# KiCad board DG Nova CPU Tester.kicad_pcb (continued)
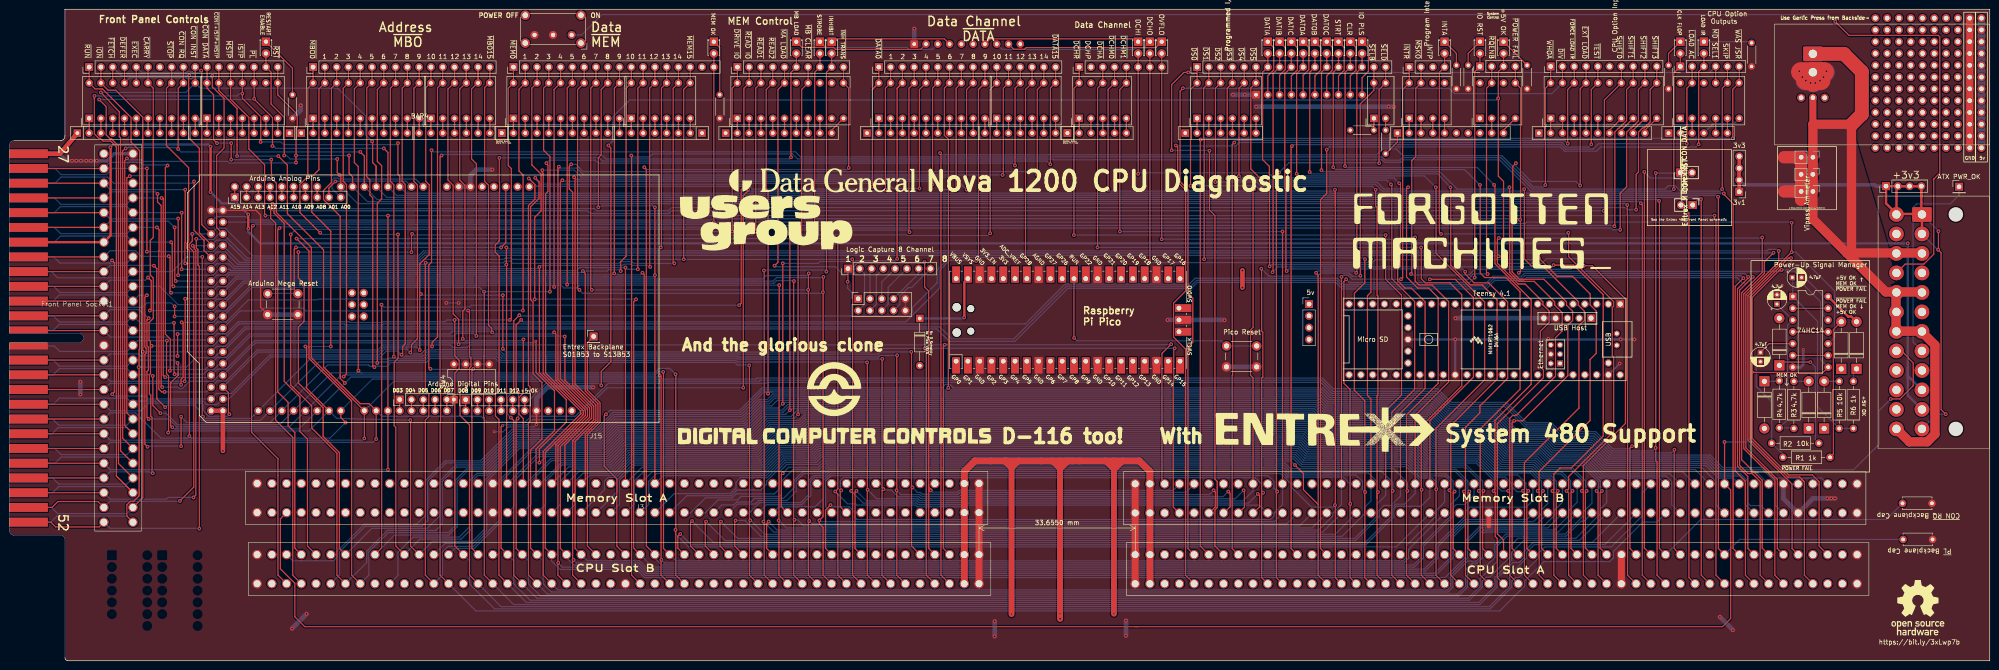
[diagram p0: board, top side]
## Footprints (pads in the part's own frame, mm; a bottom-side part is the same pattern mirrored in y, then rotated) (continued)
DG Nova Front Panel Card Edge
  rect 8.3x1.905 smd far side: 1(1.73,39.48) 2(1.73,36.305) 3(1.73,33.13) 4(1.73,29.955) 5(1.73,26.78) 6(1.73,23.605) 7(1.73,20.43) 8(1.73,17.255) 9(1.73,14.08) 10(1.73,10.905) 11(1.73,7.73) 12(1.73,4.555) 15(1.73,-4.97) 16(1.73,-8.145) 17(1.73,-11.32) 18(1.73,-14.495) 19(1.73,-17.67) 20(1.73,-20.845) 21(1.73,-24.02) 22(1.73,-27.195) 23(1.73,-30.37) 24(1.73,-33.545) 25(1.73,-36.72) 26(1.73,-39.895)
  rect 8.3x1.45 smd far side: 13(1.73,1.53) 14(1.73,-1.945)
  rect 8.3x1.905 smd: 27(1.73,39.48) 28(1.73,36.305) 29(1.73,33.13) 30(1.73,29.955) 31(1.73,26.78) 32(1.73,23.605) 33(1.73,20.43) 34(1.73,17.255) 35(1.73,14.08) 36(1.73,10.905) 37(1.73,7.73) 38(1.73,4.555) 41(1.73,-4.97) 42(1.73,-8.145) 43(1.73,-11.32) 44(1.73,-14.495) 45(1.73,-17.67) 46(1.73,-20.845) 47(1.73,-24.02) 48(1.73,-27.195) 49(1.73,-30.37) 50(1.73,-33.545) 51(1.73,-36.72) 52(1.73,-39.895)
  rect 8.3x1.45 smd: 39(1.73,1.53) 40(1.73,-1.945)
DG NOVA Front Pannel Connector - WireWrap pins - Backside
  round 2 hole 1.5: 1(3.27,39) 2(3.27,35.825) 3(3.27,32.65) 4(3.27,29.475) 5(3.27,26.3) 6(3.27,23.125) 7(3.27,19.95) 8(3.27,16.775) 9(3.27,13.6) 10(3.27,10.425) 11(3.27,7.25) 12(3.27,4.075) 13(3.27,0.9) 14(3.27,-2.275) 15(3.27,-5.45) 16(3.27,-8.625) 17(3.27,-11.8) 18(3.27,-14.975) 19(3.27,-18.15) 20(3.27,-21.325) 21(3.27,-24.5) 22(3.27,-27.675) 23(3.27,-30.85) 24(3.27,-34.025) 25(3.27,-37.2) 26(3.27,-40.375) 27(-3,39) 28(-3,35.825) 29(-3,32.65) 30(-3,29.475) 31(-3,26.3) 32(-3,23.125) 33(-3,19.95) 34(-3,16.775) 35(-3,13.6) 36(-3,10.425) 37(-3,7.25) 38(-3,4.075) 39(-3,0.9) 40(-3,-2.275) 41(-3,-5.45) 42(-3,-8.625) 43(-3,-11.8) 44(-3,-14.975) 45(-3,-18.15) 46(-3,-21.325) 47(-3,-24.5) 48(-3,-27.675) 49(-3,-30.85) 50(-3,-34.025) 51(-3,-37.2) 52(-3,-40.375)
DIP-8_W7.62mm
  rect 1.6x1.6 hole 0.8: 1(0,0)
  oval 1.6x1.6 hole 0.8: 2(0,-2.54) 3(0,-5.08) 4(0,-7.62) 5(7.62,-7.62) 6(7.62,-5.08) 7(7.62,-2.54) 8(7.62,0)
DIP-14_W7.62mm
  rect 1.6x1.6 hole 0.8: 1(0,0)
  oval 1.6x1.6 hole 0.8: 2(0,-2.54) 3(0,-5.08) 4(0,-7.62) 5(0,-10.16) 6(0,-12.7) 7(0,-15.24) 8(7.62,-15.24) 9(7.62,-12.7) 10(7.62,-10.16) 11(7.62,-7.62) 12(7.62,-5.08) 13(7.62,-2.54) 14(7.62,0)
Disc Capacitor Common Entrex Trapezoid
  round 1.6 hole 0.8: 1(-2.54,-0.215) 2(3.81,-0.215)
LED Bar 2
  rect 1.6x1.6 hole 0.914: 1(0,0)
  oval 1.6x1.6 hole 0.8: 2(2.54,0)
  round 1.6 hole 0.8: 19(2.54,7.62) 20(0,7.62)
LED Bar 4
  rect 1.6x1.6 hole 0.914: 1(0,0)
  oval 1.6x1.6 hole 0.8: 2(2.54,0) 3(5.08,0) 4(7.62,0) 17(7.62,7.62)
  round 1.6 hole 0.8: 18(5.08,7.62) 19(2.54,7.62) 20(0,7.62)
LED Bar 5
  rect 1.6x1.6 hole 0.914: 1(0,0)
  oval 1.6x1.6 hole 0.8: 2(2.54,0) 3(5.08,0) 4(7.62,0) 5(10.16,0) 16(10.16,7.62) 17(7.62,7.62)
  round 1.6 hole 0.8: 18(5.08,7.62) 19(2.54,7.62) 20(0,7.62)
LED Bar 6
  rect 1.6x1.6 hole 0.914: 1(0,0)
  oval 1.6x1.6 hole 0.8: 2(2.54,0) 3(5.08,0) 4(7.62,0) 5(10.16,0) 6(12.7,0) 15(12.675,7.64) 16(10.16,7.62) 17(7.62,7.62)
  round 1.6 hole 0.8: 18(5.08,7.62) 19(2.54,7.62) 20(0,7.62)
LED Bar 7
  rect 1.6x1.6 hole 0.914: 1(0,0)
  oval 1.6x1.6 hole 0.8: 2(2.54,0) 3(5.08,0) 4(7.62,0) 5(10.16,0) 6(12.7,0) 7(15.24,0) 14(15.24,7.62) 15(12.675,7.64) 16(10.16,7.62) 17(7.62,7.62)
  round 1.6 hole 0.8: 18(5.08,7.62) 19(2.54,7.62) 20(0,7.62)
LED Bar 10
  rect 1.6x1.6 hole 0.914: 1(0,0)
  oval 1.6x1.6 hole 0.8: 2(2.54,0) 3(5.08,0) 4(7.62,0) 5(10.16,0) 6(12.7,0) 7(15.24,0) 8(17.78,0) 9(20.32,0) 10(22.86,0) 11(22.86,7.62) 12(20.32,7.62) 13(17.78,7.62) 14(15.24,7.62) 15(12.675,7.64) 16(10.16,7.62) 17(7.62,7.62)
  round 1.6 hole 0.8: 18(5.08,7.62) 19(2.54,7.62) 20(0,7.62)
LED_D1.8mm_W3.3mm_H2.4mm
  rect 1.8x1.8 hole 0.9: 1(0,0)
  round 1.8 hole 0.9: 2(2.54,0)
PinHeader_1x01_P2.54mm_Vertical
  rect 1.7x1.7 hole 1: 1(0,0)
PinHeader_1x02_P2.54mm_Vertical
  rect 1.7x1.7 hole 1: 1(0,0)
  oval 1.7x1.7 hole 1: 2(0,-2.54)
PinHeader_1x04_P2.54mm_Vertical
  rect 1.7x1.7 hole 1: 1(0,0)
  oval 1.7x1.7 hole 1: 2(0,-2.54) 3(0,-5.08) 4(0,-7.62)
PinHeader_1x05_P2.54mm_Vertical
  rect 1.7x1.7 hole 1: 1(0,0)
  oval 1.7x1.7 hole 1: 2(0,-2.54) 3(0,-5.08) 4(0,-7.62) 5(0,-10.16)
PinHeader_1x06_P2.54mm_Vertical
  rect 1.7x1.7 hole 1: 1(0,0)
  oval 1.7x1.7 hole 1: 2(0,-2.54) 3(0,-5.08) 4(0,-7.62) 5(0,-10.16) 6(0,-12.7)
PinHeader_1x08_P2.54mm_Vertical
  rect 1.7x1.7 hole 1: 1(0,0)
  oval 1.7x1.7 hole 1: 2(0,-2.54) 3(0,-5.08) 4(0,-7.62) 5(0,-10.16) 6(0,-12.7) 7(0,-15.24) 8(0,-17.78)
PinHeader_1x10_P2.54mm_Vertical
  rect 1.7x1.7 hole 1: 1(0,0)
  oval 1.7x1.7 hole 1: 2(0,-2.54) 3(0,-5.08) 4(0,-7.62) 5(0,-10.16) 6(0,-12.7) 7(0,-15.24) 8(0,-17.78) 9(0,-20.32) 10(0,-22.86)
PinHeader_1x16_P2.54mm_Vertical
  rect 1.7x1.7 hole 1: 1(0,0)
  oval 1.7x1.7 hole 1: 2(0,-2.54) 3(0,-5.08) 4(0,-7.62) 5(0,-10.16) 6(0,-12.7) 7(0,-15.24) 8(0,-17.78) 9(0,-20.32) 10(0,-22.86) 11(0,-25.4) 12(0,-27.94) 13(0,-30.48) 14(0,-33.02) 15(0,-35.56) 16(0,-38.1)
PinHeader_1x17_P2.54mm_Vertical
  rect 1.7x1.7 hole 1: 1(0,0)
  oval 1.7x1.7 hole 1: 2(0,-2.54) 3(0,-5.08) 4(0,-7.62) 5(0,-10.16) 6(0,-12.7) 7(0,-15.24) 8(0,-17.78) 9(0,-20.32) 10(0,-22.86) 11(0,-25.4) 12(0,-27.94) 13(0,-30.48) 14(0,-33.02) 15(0,-35.56) 16(0,-38.1) 17(0,-40.64)
PinHeader_1x18_P2.54mm_Vertical
  rect 1.7x1.7 hole 1: 1(0,0)
  oval 1.7x1.7 hole 1: 2(0,-2.54) 3(0,-5.08) 4(0,-7.62) 5(0,-10.16) 6(0,-12.7) 7(0,-15.24) 8(0,-17.78) 9(0,-20.32) 10(0,-22.86) 11(0,-25.4) 12(0,-27.94) 13(0,-30.48) 14(0,-33.02) 15(0,-35.56) 16(0,-38.1) 17(0,-40.64) 18(0,-43.18)
PinHeader_2x05_P2.54mm_Vertical - Backside
  rect 1.7x1.7 hole 1: 1(0,0)
  oval 1.7x1.7 hole 1: 2(-2.54,0) 3(0,-2.54) 4(-2.54,-2.54) 5(0,-5.08) 6(-2.54,-5.08) 7(0,-7.62) 8(-2.54,-7.62) 9(0,-10.16) 10(-2.54,-10.16)
R_Array_SIP6
  rect 1.6x1.6 hole 0.8: 1(0,0)
  oval 1.6x1.6 hole 0.8: 2(2.54,0) 3(5.08,0) 4(7.62,0) 5(10.16,0) 6(12.7,0)
R_Array_SIP7
  rect 1.6x1.6 hole 0.8: 1(0,0)
  oval 1.6x1.6 hole 0.8: 2(2.54,0) 3(5.08,0) 4(7.62,0) 5(10.16,0) 6(12.7,0) 7(15.24,0)
R_Array_SIP8
  rect 1.6x1.6 hole 0.8: 1(0,0)
  oval 1.6x1.6 hole 0.8: 2(2.54,0) 3(5.08,0) 4(7.62,0) 5(10.16,0) 6(12.7,0) 7(15.24,0) 8(17.78,0)
R_Array_SIP9
  rect 1.6x1.6 hole 0.8: 1(0,0)
  oval 1.6x1.6 hole 0.8: 2(2.54,0) 3(5.08,0) 4(7.62,0) 5(10.16,0) 6(12.7,0) 7(15.24,0) 8(17.78,0) 9(20.32,0)
R_Array_SIP10
  rect 1.6x1.6 hole 0.8: 1(0,0)
  oval 1.6x1.6 hole 0.8: 2(2.54,0) 3(5.08,0) 4(7.62,0) 5(10.16,0) 6(12.7,0) 7(15.24,0) 8(17.78,0) 9(20.32,0) 10(22.86,0)
R_Axial_DIN0204_L3.6mm_D1.6mm_P5.08mm_Horizontal
  round 1.4 hole 0.7: 1(0,0)
  oval 1.4x1.4 hole 0.7: 2(5.08,0)
R_Axial_DIN0207_L6.3mm_D2.5mm_P10.16mm_Horizontal
  round 1.6 hole 0.8: 1(0,0)
  oval 1.6x1.6 hole 0.8: 2(10.16,0)
RPi_Pico_SMD_TH
  oval 1.8x1.8 hole 1.8 unplated: (-2.725,24) (2.725,24)
  oval 1.5x1.5 hole 1.5 unplated: (-2.425,20.97) (2.425,20.97)
  oval 1.7x1.7 hole 1.02: 1(-8.89,24.13) 2(-8.89,21.59) 4(-8.89,16.51) 5(-8.89,13.97) 6(-8.89,11.43) 7(-8.89,8.89) 9(-8.89,3.81) 10(-8.89,1.27) 11(-8.89,-1.27) 12(-8.89,-3.81) 14(-8.89,-8.89) 15(-8.89,-11.43) 16(-8.89,-13.97) 17(-8.89,-16.51) 19(-8.89,-21.59) 20(-8.89,-24.13) 21(8.89,-24.13) 22(8.89,-21.59) 24(8.89,-16.51) 25(8.89,-13.97) 26(8.89,-11.43) 27(8.89,-8.89) 29(8.89,-3.81) 30(8.89,-1.27) 31(8.89,1.27) 32(8.89,3.81) 34(8.89,8.89) 35(8.89,11.43) 36(8.89,13.97) 37(8.89,16.51) 39(8.89,21.59) 40(8.89,24.13) 41(-2.54,-23.9) 43(2.54,-23.9)
  rect 3.5x1.7 smd: 1(-8.89,24.13) 2(-8.89,21.59) 3(-8.89,19.05) 4(-8.89,16.51) 5(-8.89,13.97) 6(-8.89,11.43) 7(-8.89,8.89) 8(-8.89,6.35) 9(-8.89,3.81) 10(-8.89,1.27) 11(-8.89,-1.27) 12(-8.89,-3.81) 13(-8.89,-6.35) 14(-8.89,-8.89) 15(-8.89,-11.43) 16(-8.89,-13.97) 17(-8.89,-16.51) 18(-8.89,-19.05) 19(-8.89,-21.59) 20(-8.89,-24.13) 21(8.89,-24.13) 22(8.89,-21.59) 23(8.89,-19.05) 24(8.89,-16.51) 25(8.89,-13.97) 26(8.89,-11.43) 27(8.89,-8.89) 28(8.89,-6.35) 29(8.89,-3.81) 30(8.89,-1.27) 31(8.89,1.27) 32(8.89,3.81) 33(8.89,6.35) 34(8.89,8.89) 35(8.89,11.43) 36(8.89,13.97) 37(8.89,16.51) 38(8.89,19.05) 39(8.89,21.59) 40(8.89,24.13)
  rect 1.7x1.7 hole 1.02: 3(-8.89,19.05) 8(-8.89,6.35) 13(-8.89,-6.35) 18(-8.89,-19.05) 23(8.89,-19.05) 28(8.89,-6.35) 33(8.89,6.35) 38(8.89,19.05) 42(0,-23.9)
  rect 1.7x3.5 smd: 41(-2.54,-23.9) 42(0,-23.9) 43(2.54,-23.9)
Single Thru-Hole
  oval 1.7x1.7 hole 1: (0,0)
SW_E-Switch_EG1224_SPDT_Angled
  round 2 hole 1.2: (-2,1.75) (-2,-4.25) (10,1.75) (10,-4.25)
  round 1.7 hole 0.9: 1(0,0) 2(4,0) 3(8,0)
SW_PUSH_6mm
  round 2 hole 1.1: 1(0,0) 1(6.5,0) 2(0,-4.5) 2(6.5,-4.5)
Teensy41
  rect 1.6x1.6 hole 1.1: 1(-29.21,-7.62) 55(-22.911,-4.569)
  round 1.6 hole 1.1: 2(-26.67,-7.62) 3(-24.13,-7.62) 4(-21.59,-7.62) 5(-19.05,-7.62) 6(-16.51,-7.62) 7(-13.97,-7.62) 8(-11.43,-7.62) 9(-8.89,-7.62) 10(-6.35,-7.62) 11(-3.81,-7.62) 12(-1.27,-7.62) 13(1.27,-7.62) 14(3.81,-7.62) 15(6.35,-7.62) 16(8.89,-7.62) 17(11.43,-7.62) 18(13.97,-7.62) 19(16.51,-7.62) 20(19.05,-7.62) 21(21.59,-7.62) 22(24.13,-7.62) 23(26.67,-7.62) 24(29.21,-7.62) 25(29.21,7.62) 26(26.67,7.62) 27(24.13,7.62) 28(21.59,7.62) 29(19.05,7.62) 30(16.51,7.62) 31(13.97,7.62) 32(11.43,7.62) 33(8.89,7.62) 34(6.35,7.62) 35(3.81,7.62) 36(1.27,7.62) 37(-1.27,7.62) 38(-3.81,7.62) 39(-6.35,7.62) 40(-8.89,7.62) 41(-11.43,7.62) 42(-13.97,7.62) 43(-16.51,7.62) 44(-19.05,7.62) 45(-21.59,7.62) 46(-24.13,7.62) 47(-26.67,7.62) 48(-29.21,7.62) 49(-26.67,5.08) 50(16.51,-5.08) 51(16.51,-2.54) 52(16.51,0) 53(16.51,2.54) 54(16.51,5.08) 56(-20.371,-4.569) 57(-17.831,-4.569) 58(-15.291,-4.569) 59(-12.751,-4.569)
  rect 1.3x1.3 hole 0.8: 60(-16.24,5.182)
  round 1.3 hole 0.8: 61(-16.24,3.182) 62(-16.24,1.182) 63(-14.24,1.182) 64(-14.24,3.182) 65(-14.24,5.182) 66(-28.48,1.27) 67(-28.48,-1.27)
XK-001_Volt-Amp_Meter - Backside
  oval 1.7x1.7 hole 1: 1(-17.78,-3.175) 2(-15.24,-3.175) 3(-12.7,-3.175)
  rrect 4.2x3.16 hole 1.8: 4(-15.25,6.27)
  round 3.16 hole 1.8: 5(-15.25,2.31)

## Nets
+3v3: 3v1.1 3v1.2 3v1.3 3v1.4 3v3.1 3v3.2 3v3.3 3v3.4 J4.1 J4.2 J4.12 J4.13
+5V: 5vToBackBoard1.1 5vToBackBoard1.2 5vToBackBoard1.3 5vToBackBoard1.4 D1.1 D2.2 D3.1 D4.2 D5.1 D6.2 D29.2 Front Panel Socket1.27 J2.3 J2.4 J2.97 J2.98 J3.3 J3.4 J3.97 J3.98 J4.4 J4.6 J4.21 J4.22 J4.23 J5.27 J15.3 J15.4 J15.97 J15.98 J16.3 J16.4 J16.97 J16.98 MES1.1 MES1.3 R9.1 R10.1 REF**9. REF**19. REF**29. REF**39. REF**49. REF**59. REF**69. REF**79. REF**89. REF**99. REF**109. REF**119. RN1.1 RN2.1 RN3.1 RN4.1 RN5.1 RN6.1 RN7.1 RN8.1 RN9.1 RN10.1 RN12.1 RN13.1 RN15.1 RN16.1 Teensy 4.1.48 U1.14 XA1.5V1 XA1.5V3 XA1.5V4 XA1.VIN
+5V OK: D24.2 J2.8 J14.3 J23.6 U1.12 XA1.D13
+12V Lamp: Front Panel Socket1.33 J4.10 J4.11 J5.33
+VINH: J15.10 J16.84
-5V: J4.20 J15.6 J16.81
-12v: J4.14
GND: C1.1 C2.1 C3.2 C4.2 C5.2 Front Panel Socket1.1 Front Panel Socket1.40 J2.1 J2.2 J2.33 J2.34 J2.99 J2.100 J3.1 J3.2 J3.50 J3.99 J3.100 J5.1 J5.40 J15.1 J15.2 J15.33 J15.34 J15.99 J15.100 J16.1 J16.2 J16.50 J16.89 J16.92 J16.99 J16.100 J19.9 J19.10 JP1.2 JP4.2 JP5.2 MES1.5 R7.1 R8.1 R11.1 R12.1 R13.1 R14.1 R15.1 REF**8. REF**18. REF**28. REF**38. REF**48. REF**58. REF**68. REF**78. REF**88. REF**98. REF**108. REF**118. RN11.1 RN14.1 SW1.1 SW2.2 SW2.3 SW3.1 SW4.5 SW4.6 SW4.7 SW4.8 Teensy 4.1.1 Teensy 4.1.34 Teensy 4.1.47 Teensy 4.1.52 Teensy 4.1.58 Teensy 4.1.59 Teensy 4.1.64 U1.7 U2.3 U2.8 U2.13 U2.18 U2.23 U2.28 U2.33 U2.38 U2.42 XA1.GND1 XA1.GND2 XA1.GND3 XA1.GND5 XA1.GND6
GND After Meter: J4.3 J4.5 J4.7 J4.15 J4.17 J4.18 J4.19 J4.24 JP1.1 JP4.1 JP5.1 MES1.2 MES1.4
60Hz: J16.6
+V MEM: J16.46
/D3: J22.1 XA1.D3
/D4: J22.2 XA1.D4
/D5: J22.3 XA1.D5
/D6: J22.4 XA1.D6
/D11: J23.4 XA1.D11
/D12: J23.5 XA1.D12
CLK FLOP: D28.2 J3.48 J17.1
CLR: D20.2 J2.50 J10.14 J15.50
DATIA: D12.2 J2.44 J10.7 J15.44
DATIB: D16.2 J2.42 J10.8 J15.42
DATIC: D17.2 J2.54 J10.9 J15.54
DATOA: D21.2 J2.58 J10.10 J15.58
DATOB: D22.2 J2.56 J10.11 J15.56
DATOC: D18.2 J2.48 J10.12 J15.48
DCHI: D13.2 J3.37 J12.6 J16.37
DCHO: D14.2 J3.33 J12.7 J16.33
DIP1: J23.3 SW4.4 XA1.D10
DIP2: J23.2 SW4.3 XA1.D9
DIP3: J23.1 SW4.2 XA1.D8
DIP4: J22.5 SW4.1 XA1.D7
Entrex Backplane S01B53 to S13B53: J3.53 TP1.1
Entrex P10.19: J2.24 JP3.2 JP3#2.2
Entrex P10.30: J2.29 JP2.2 JP2#2.2
INH GND: J15.8 J15.14 J15.16 J15.20 J15.22 J15.26 J15.30 J15.31
INHIBIT: D11.2 J3.30 J16.30 J18.9
INTA: D25.2 J2.40 J13.4 J15.40
IO PLS: D23.2 J2.74 J10.15 J15.74
IO RST: D26.2 J2.70 J14.1 J15.70
LOAD IR: D27.2 J2.73 J17.3
Logic1: J19.1 J20.1
Logic2: J19.2 J20.2
Logic3: J19.3 J20.3
Logic4: J19.4 J20.4
Logic5: J19.5 J20.5
Logic6: J19.6 J20.6
Logic7: J19.7 J20.7
Logic8: J19.8 J20.8
MB LOAD: D9.2 J3.74 J16.74 J18.6
MEM OK: D8.2 J2.9 J7.18 U1.10 XA1.D52
OVFLO: D15.2 J3.39 J12.8 J16.39
Power SW: J4.16 SW2.1
PWR_OK: J4.8 TP2.1
RESTART ENABLE: D7.2 Front Panel Socket1.19 J2.32 J5.19 J9.16 XA1.A7
RINH0: J15.5
RINH1: J15.7
RINH2: J15.9
RINH3: J15.11
RINH4: J15.13
RINH5: J15.15
RINH6: J15.18
RINH7: J15.17
RINH8: J15.19
RINH9: J15.24
RINH10: J15.23
RINH11: J15.21
RINH12: J15.28
RINH13: J15.25
RINH14: J15.29
RINH15: J15.27
ROS: J16.78
STROBE: D10.2 J3.20 J16.20 J18.8
STRT: D19.2 J2.52 J10.13 J15.52
UART_RX: U2.2
UART_TX: U2.1
~{BMA LOAD}: J16.10
~{CARRY}: BAR1.15 Front Panel Socket1.49 J2.15 J5.49 J9.6 XA1.D32
~{CON DATA}: BAR2.20 Front Panel Socket1.46 J2.28 J5.46 J9.11 JP2.1 JP2#2.1 XA1.D0
~{CON INST}: BAR1.11 Front Panel Socket1.22 J2.22 J5.22 J9.10 JP3.1 JP3#2.1 XA1.A4
~{CON RQ}: BAR1.12 C2.2 Front Panel Socket1.21 J2.27 J5.21 J9.9 XA1.A5
~{CONT+ISTP+MSTP}: BAR2.19 Front Panel Socket1.47 J2.25 J5.47 J9.12 XA1.D1
~{DATA0}: BAR8.20 J3.62 J8.1 J16.62
~{DATA1}: BAR8.19 J3.65 J8.2 J16.65
~{DATA2}: BAR8.18 J3.82 J8.3 J16.82
~{DATA3}: BAR8.17 J3.73 J8.4 J16.73
~{DATA4}: BAR8.16 J3.61 J8.5 J16.61
~{DATA5}: BAR8.15 J3.57 J8.6 J16.57
~{DATA6}: BAR8.14 J3.95 J8.7 J16.95
~{DATA7}: BAR8.13 J3.55 J8.8 J16.55
~{DATA8}: BAR8.12 J3.60 J8.9 J16.60
~{DATA9}: BAR8.11 J3.63 J8.10 J16.63
~{DATA10}: BAR9.20 J3.75 J8.11 J16.75
~{DATA11}: BAR9.19 J3.58 J8.12 J16.58
~{DATA12}: BAR9.18 J3.59 J8.13 J16.59
~{DATA13}: BAR9.17 J3.64 J8.14 J16.64
~{DATA14}: BAR9.16 J3.56 J8.15 J16.56
~{DATA15}: BAR9.15 J3.66 J8.16 J16.66
~{DCHA}: BAR11.18 J2.60 J12.3 J15.60
~{DCHM0}: BAR11.17 J3.17 J12.4 J16.17
~{DCHM1}: BAR11.16 J3.21 J12.5 J16.21
~{DCHP IN}: J15.94
~{DCHP OUT}: J15.93
~{DCHR}: BAR11.20 J3.35 J12.1 J16.35
~{DEFER}: BAR1.17 Front Panel Socket1.52 J2.12 J5.52 J9.4 XA1.D50
~{DIV}: BAR15.19 J2.91 J11.2
~{DRIVE IO}: BAR7.20 J3.88 J16.88 J18.1
~{DS0}: BAR10.20 J2.72 J10.1 J15.72
~{DS1}: BAR10.19 J2.68 J10.2 J15.68
~{DS2}: BAR10.18 J2.66 J10.3 J15.66
~{DS3}: BAR10.17 J2.46 J10.4 J15.46
~{DS4}: BAR10.16 J2.62 J10.5 J15.62
~{DS5}: BAR10.15 J2.64 J10.6 J15.64
~{EXEC}: BAR1.16 Front Panel Socket1.51 J2.11 J5.51 J9.5 XA1.D51
~{EXT LOAD}: BAR15.17 J2.47 J3.49 J11.4
~{EXT SELECT}: J16.80
~{FETCH}: BAR1.18 Front Panel Socket1.50 J2.13 J2.49 J5.50 J9.3 XA1.D49
~{FORCE LOAD IR}: BAR15.18 J2.85 J11.3
~{INH TRANS}: BAR7.11 J3.45 J16.45 J18.10
~{INHIBIT SELECT}: J16.85
~{INTP IN}: J15.96
~{INTP OUT}: J15.95
~{INTR}: BAR13.20 J3.29 J13.1 J16.29
~{ION}: BAR1.19 Front Panel Socket1.25 J2.16 J5.25 J9.2 XA1.D31
~{ISTP}: BAR2.17 Front Panel Socket1.24 J2.17 J5.24 J9.14 XA1.A2
~{LOAD AC}: BAR16.19 J2.77 J17.2
~{MA LOAD}: BAR7.16 J3.7 J16.7 J18.5
~{MB CLEAR}: BAR7.14 J3.86 J16.86 J18.7
~{MBO0}: BAR3.20 J3.79 J6.1 J16.79
~{MBO1}: BAR3.19 Front Panel Socket1.14 J3.77 J5.14 J6.2 J16.77 XA1.D15
~{MBO2}: BAR3.18 Front Panel Socket1.15 J3.44 J5.15 J6.3 J16.44 XA1.D16
~{MBO3}: BAR3.17 Front Panel Socket1.38 J3.43 J5.38 J6.4 J16.43 XA1.D17
~{MBO4}: BAR3.16 Front Panel Socket1.16 J3.42 J5.16 J6.5 J16.42 XA1.D18
~{MBO5}: BAR3.15 Front Panel Socket1.11 J3.32 J5.11 J6.6 J16.32 XA1.D19
~{MBO6}: BAR3.14 Front Panel Socket1.35 J3.16 J5.35 J6.7 J16.16 XA1.D20
~{MBO7}: BAR3.13 Front Panel Socket1.9 J3.14 J5.9 J6.8 J16.14 XA1.D21
~{MBO8}: BAR3.12 Front Panel Socket1.18 J3.12 J5.18 J6.9 J16.12 XA1.D22
~{MBO9}: BAR3.11 Front Panel Socket1.8 J3.9 J5.8 J6.10 J16.9 XA1.D23
~{MBO10}: BAR4.20 Front Panel Socket1.44 J3.8 J5.44 J6.11 J16.8 XA1.D24
~{MBO11}: BAR4.19 Front Panel Socket1.6 J3.5 J5.6 J6.12 J16.5 XA1.D25
~{MBO12}: BAR4.18 Front Panel Socket1.30 J2.39 J5.30 J6.13 J15.39 XA1.D26
~{MBO13}: BAR4.17 Front Panel Socket1.4 J2.37 J5.4 J6.14 J15.37 XA1.D27
~{MBO14}: BAR4.16 Front Panel Socket1.12 J2.43 J5.12 J6.15 J15.43 XA1.D28
~{MBO15}: BAR4.15 Front Panel Socket1.28 J2.41 J5.28 J6.16 J15.41 XA1.D29
~{MD SEL1}: BAR16.17 J2.87 J17.4
~{MEM0}: BAR5.20 Front Panel Socket1.39 J3.71 J5.39 J7.1 J16.71 XA1.D33
~{MEM1}: BAR5.19 Front Panel Socket1.41 J3.70 J5.41 J7.2 J16.70 XA1.D34
~{MEM2}: BAR5.18 Front Panel Socket1.13 J3.47 J5.13 J7.3 J16.47 XA1.D35
~{MEM3}: BAR5.17 Front Panel Socket1.43 J3.68 J5.43 J7.4 J16.68 XA1.D36
~{MEM4}: BAR5.16 Front Panel Socket1.37 J3.28 J5.37 J7.5 J16.28 XA1.D37
~{MEM5}: BAR5.15 Front Panel Socket1.36 J3.26 J5.36 J7.6 J16.26 XA1.D38
~{MEM6}: BAR5.14 Front Panel Socket1.10 J3.22 J5.10 J7.7 J16.22 XA1.D39
~{MEM7}: BAR5.13 Front Panel Socket1.42 J3.24 J5.42 J7.8 J16.24 XA1.D40
~{MEM8}: BAR5.12 Front Panel Socket1.34 J2.55 J5.34 J7.9 J15.55 XA1.D41
~{MEM9}: BAR5.11 Front Panel Socket1.7 J2.53 J5.7 J7.10 J15.53 XA1.D42
~{MEM10}: BAR6.20 Front Panel Socket1.32 J2.45 J5.32 J7.11 J15.45 XA1.D43
~{MEM11}: BAR6.19 Front Panel Socket1.31 J2.51 J5.31 J7.12 J15.51 XA1.D44
~{MEM12}: BAR6.18 Front Panel Socket1.5 J2.36 J5.5 J7.13 J15.36 XA1.D45
~{MEM13}: BAR6.17 Front Panel Socket1.29 J2.35 J5.29 J7.14 J15.35 XA1.D46
~{MEM14}: BAR6.16 Front Panel Socket1.3 J3.76 J5.3 J7.15 J16.76 XA1.D47
~{MEM15}: BAR6.15 Front Panel Socket1.2 J3.18 J5.2 J7.16 J16.18 XA1.D48
~{MSKO}: BAR13.19 J2.38 J13.2 J15.38
~{MSTP}: BAR2.18 Front Panel Socket1.48 J2.20 J5.48 J9.13 XA1.D2
~{PL}: BAR2.16 C1.2 Front Panel Socket1.23 J2.19 J5.23 J9.15 XA1.A3
~{POWER FAIL}: BAR14.17 J2.5 J14.4 U1.8 XA1.D53
~{READ1}: BAR7.18 J3.87 J16.87 J18.3
~{READ2}: BAR7.17 J3.90 J16.90 J18.4
~{READ IO}: BAR7.19 J3.83 J16.83 J18.2
~{RELOAD DISABLE}: J16.72
~{RQENB}: BAR14.19 J3.41 J14.2 J16.41
~{RST}: BAR2.14 Front Panel Socket1.20 J2.30 J5.20 J9.17 XA1.A6
~{RUN}: BAR1.20 Front Panel Socket1.26 J2.14 J5.26 J9.1 XA1.D30
~{SELB}: BAR12.20 J2.82 J10.16 J15.82
~{SELD}: BAR12.19 J2.80 J10.17 J15.80
~{SHIFT0}: BAR15.14 J3.94 J11.7
~{SHIFT1}: BAR15.13 J3.96 J11.8
~{SHIFT2}: BAR15.12 J3.93 J11.9
~{SHIFT3}: BAR15.11 J3.91 J11.10
~{SKIP}: BAR16.16 J3.69 J17.5
~{STOP}: BAR1.13 Front Panel Socket1.45 J2.31 J5.45 J9.8 XA1.D14
~{TEST}: BAR15.16 J2.92 J11.5
~{WAS JSR}: BAR16.15 J2.89 J17.6
~{WHOA}: BAR15.20 J3.6 J11.1
Net-(BAR12-Pad1): BAR12.1 R10.2
Net-(BAR12-Pad2): BAR12.2 R9.2
Net-(C3-Pad1): C3.1 R1.2 R2.1 U1.5
Net-(C4-Pad1): C4.1 R3.2 R4.1 U1.3
Net-(C5-Pad1): C5.1 R5.2 R6.1 U1.1
Net-(D1-A): D1.2 R1.1
Net-(D2-K): D2.1 R2.2
Net-(D3-A): D3.2 R3.1
Net-(D4-K): D4.1 R4.2
Net-(D5-A): D5.2 R5.1
Net-(D6-K): D6.1 R6.2
Net-(D7-K): D7.1 R7.2
Net-(D8-K): D8.1 R8.2
Net-(D9-K): D9.1 RN11.2
Net-(D10-K): D10.1 RN11.3
Net-(D11-K): D11.1 RN11.4
Net-(D12-K): D12.1 RN14.2
Net-(D13-K): D13.1 RN11.7
Net-(D14-K): D14.1 RN11.8
Net-(D15-K): D15.1 RN11.9
Net-(D16-K): D16.1 RN14.3
Net-(D17-K): D17.1 RN14.4
Net-(D18-K): D18.1 RN14.7
Net-(D19-K): D19.1 RN14.8
Net-(D20-K): D20.1 RN14.9
Net-(D21-K): D21.1 RN14.5
Net-(D22-K): D22.1 RN14.6
Net-(D23-K): D23.1 RN14.10
Net-(D24-K): D24.1 R14.2
Net-(D25-K): D25.1 R11.2
Net-(D26-K): D26.1 R12.2
Net-(D27-K): D27.1 R13.2
Net-(D28-K): D28.1 R15.2
Net-(D29-K): D29.1 U2.39
Net-(J21-Pin_1): J21.1 XA1.A15
Net-(J21-Pin_2): J21.2 XA1.A14
Net-(J21-Pin_3): J21.3 XA1.A13
Net-(J21-Pin_4): J21.4 XA1.A12
Net-(J21-Pin_5): J21.5 XA1.A11
Net-(J21-Pin_6): J21.6 XA1.A10
Net-(J21-Pin_7): J21.7 XA1.A9
Net-(J21-Pin_8): J21.8 XA1.A8
Net-(J21-Pin_9): J21.9 XA1.A1
Net-(J21-Pin_10): J21.10 XA1.A0
Net-(RN1-R1): BAR1.1 RN1.2
Net-(RN1-R2): BAR1.2 RN1.3
Net-(RN1-R3): BAR1.3 RN1.4
Net-(RN1-R4): BAR1.4 RN1.5
Net-(RN1-R5): BAR1.5 RN1.6
Net-(RN1-R6): BAR1.6 RN1.7
Net-(RN1-R7): BAR1.7 RN1.8
Net-(RN1-R8): BAR1.8 RN1.9
Net-(RN1-R9): BAR1.9 RN1.10
Net-(RN2-R1): BAR2.7 RN2.2
Net-(RN2-R2): BAR2.6 RN2.3
Net-(RN2-R3): BAR2.5 RN2.4
Net-(RN2-R4): BAR2.4 RN2.5
Net-(RN2-R5): BAR2.3 RN2.6
Net-(RN2-R6): BAR2.2 RN2.7
Net-(RN2-R7): BAR2.1 RN2.8
Net-(RN2-R8): BAR1.10 RN2.9
Net-(RN3-R1): BAR3.1 RN3.2
Net-(RN3-R2): BAR3.2 RN3.3
Net-(RN3-R3): BAR3.3 RN3.4
Net-(RN3-R4): BAR3.4 RN3.5
Net-(RN3-R5): BAR3.5 RN3.6
Net-(RN3-R6): BAR3.6 RN3.7
Net-(RN3-R7): BAR3.7 RN3.8
Net-(RN3-R8): BAR3.8 RN3.9
Net-(RN3-R9): BAR3.9 RN3.10
Net-(RN4-R1): BAR4.6 RN4.2
Net-(RN4-R2): BAR4.5 RN4.3
Net-(RN4-R3): BAR4.4 RN4.4
Net-(RN4-R4): BAR4.3 RN4.5
Net-(RN4-R5): BAR4.2 RN4.6
Net-(RN4-R6): BAR4.1 RN4.7
Net-(RN4-R7): BAR3.10 RN4.8
Net-(RN5-R1): BAR5.1 RN5.2
Net-(RN5-R2): BAR5.2 RN5.3
Net-(RN5-R3): BAR5.3 RN5.4
Net-(RN5-R4): BAR5.4 RN5.5
Net-(RN5-R5): BAR5.5 RN5.6
Net-(RN5-R6): BAR5.6 RN5.7
Net-(RN5-R7): BAR5.7 RN5.8
Net-(RN5-R8): BAR5.8 RN5.9
Net-(RN5-R9): BAR5.9 RN5.10
Net-(RN6-R1): BAR6.6 RN6.2
Net-(RN6-R2): BAR6.5 RN6.3
Net-(RN6-R3): BAR6.4 RN6.4
Net-(RN6-R4): BAR6.3 RN6.5
Net-(RN6-R5): BAR6.2 RN6.6
Net-(RN6-R6): BAR6.1 RN6.7
Net-(RN6-R7): BAR5.10 RN6.8
Net-(RN7-R1): BAR7.1 RN7.2
Net-(RN7-R2): BAR7.2 RN7.3
Net-(RN7-R3): BAR7.3 RN7.4
Net-(RN7-R4): BAR7.4 RN7.5
Net-(RN7-R5): BAR7.5 RN7.6
Net-(RN7-R6): BAR7.6 RN7.7
Net-(RN7-R7): BAR7.7 RN7.8
Net-(RN7-R8): BAR7.8 RN7.9
Net-(RN7-R9): BAR7.10 RN7.10
Net-(RN8-R1): BAR8.1 RN8.2
Net-(RN8-R2): BAR8.2 RN8.3
Net-(RN8-R3): BAR8.3 RN8.4
Net-(RN8-R4): BAR8.4 RN8.5
Net-(RN8-R5): BAR8.5 RN8.6
Net-(RN8-R6): BAR8.6 RN8.7
Net-(RN8-R7): BAR8.7 RN8.8
Net-(RN8-R8): BAR8.8 RN8.9
Net-(RN8-R9): BAR8.9 RN8.10
Net-(RN9-R1): BAR9.6 RN9.2
Net-(RN9-R2): BAR9.5 RN9.3
Net-(RN9-R3): BAR9.4 RN9.4
Net-(RN9-R4): BAR9.3 RN9.5
Net-(RN9-R5): BAR9.2 RN9.6
Net-(RN9-R6): BAR9.1 RN9.7
Net-(RN9-R7): BAR8.10 RN9.8
Net-(RN10-R1): BAR11.1 RN10.2
Net-(RN10-R2): BAR11.2 RN10.3
Net-(RN10-R3): BAR11.3 RN10.4
Net-(RN10-R4): BAR11.4 RN10.5
Net-(RN10-R5): BAR11.5 RN10.6
Net-(RN12-R1): BAR10.1 RN12.2
Net-(RN12-R2): BAR10.2 RN12.3
Net-(RN12-R3): BAR10.3 RN12.4
Net-(RN12-R4): BAR10.4 RN12.5
Net-(RN12-R5): BAR10.5 RN12.6
Net-(RN12-R6): BAR10.6 RN12.7
Net-(RN13-R1): BAR13.1 RN13.2
Net-(RN13-R2): BAR13.2 RN13.3
Net-(RN13-R3): BAR13.3 RN13.4
Net-(RN13-R4): BAR13.4 RN13.5
Net-(RN13-R8): BAR14.2 RN13.9
Net-(RN13-R9): BAR14.4 RN13.10
Net-(RN15-R1): BAR15.1 RN15.2
Net-(RN15-R2): BAR15.2 RN15.3
Net-(RN15-R3): BAR15.3 RN15.4
Net-(RN15-R4): BAR15.4 RN15.5
Net-(RN15-R5): BAR15.5 RN15.6
Net-(RN15-R6): BAR15.7 RN15.7
Net-(RN15-R7): BAR15.8 RN15.8
Net-(RN15-R8): BAR15.9 RN15.9
Net-(RN15-R9): BAR15.10 RN15.10
Net-(RN16-R2): BAR16.2 RN16.3
Net-(RN16-R3): BAR16.6 RN16.4
Net-(RN16-R4): BAR16.4 RN16.5
Net-(RN16-R5): BAR16.5 RN16.6
Net-(U1-Pad6): U1.6 U1.9
Net-(U1-Pad11): U1.4 U1.11
Net-(U1-Pad13): U1.2 U1.13
Net-(U2-RUN): SW3.2 U2.30
Net-(XA1-RESET): SW1.2 XA1.RST1

Pads without a net: BAR1 14; BAR2 15; BAR7 9 12 13 15; BAR11 19; BAR13 17 18; BAR14 1 3 18 20; BAR15 6 15; BAR16 1 3 18 20; Front Panel Socket1 17; J2 6 7 10 18 21 23 26 57 59 61 63 65 67 69 71 75 76 78 79 81 83 84 86 88 90 93 94 95 96; J3 10 11 13 15 19 23 25 27 31 34 36 38 40 46 51 52 54 67 72 78 80 81 84 85 89 92; J4 9; J5 17; J7 17; J9 7; J11 6; J12 2; J13 3; J15 12 32 47 49 57 59 61 63 65 67 69 71 73 75 76 77 78 79 81 83 84 85 86 87 88 89 90 91 92; J16 11 13 15 19 23 25 27 31 34 36 38 40 48 49 51 52 53 54 67 69 91 93 94 96; RN11 5 6 10; RN13 6 7 8; RN16 2; Teensy 4.1 2 3 4 5 6 7 8 9 10 11 12 13 14 15 16 17 18 19 20 21 22 23 24 25 26 27 28 29 30 31 32 33 35 36 37 38 39 40 41 42 43 44 45 46 49 50 51 53 54 55 56 57 60 61 62 63 65 66 67; U2 4 5 6 7 9 10 11 12 14 15 16 17 19 20 21 22 24 25 26 27 29 31 32 34 35 36 37 40 41 43; XA1 3V3 5V2 AREF GND4 IORF MISO MOSI RST2 SCK SCL SDA

## Via types
v1: diameter 0.8, hole 0.4, Top to Bottom, 489 vias
v2: diameter 0.6, hole 0.3, Top to Bottom, 8 vias

## Routing (per net, layer and track width the routed paths; a pad name or vN(x,y) marks a point on that pad's centre or on a via; arc(x,y) is an arc through that point)
+3v3: length 148.4
  Top w0.25: v1(415.74,92.53) 415.74,88.57 v1(415.69,88.52) 416.31,87.9 416.31,54.12 v1(417.31,53.11) 417.36,53.06 ; 412.18,96.39 412.05,96.39 412.2,96.25 ; 412.2,102.09 3v3.4
  Top w0.5: 412.05,99.95 3v3.4 ; 412.05,99.95 412.05,96.39 ; 412.05,99.95 3v3.4 ; 406.7,96.25 412.2,96.25 ; 406.7,96.25 406.7,101.96 3v3.2 ; 406.7,96.25 404.43,98.51 3v3.1 3v3.2 ; 3v3.2 3v3.3 3v3.4 ; 3v3.2 3v3.4 ; 3v1.3 3v1.4 ; 3v1.2 3v1.1 ; 412.18,92.01 412.18,96.21
  Top w0.75: 3v1.2 372.81,104.78 ; 372.81,104.78 3v1.4 ; 372.81,104.78 3v1.3 ; 372.81,104.78 3v1.1
  Bottom w0.25: v1(417.31,53.11) 415.35,53.11 J4.12 ; v1(415.74,92.53) 415.74,92.58 J4.1 ; v1(415.69,88.52) 415.6,88.52 J4.2
  Bottom w0.5: 404.28,102.39 3v3.1
  Bottom w0.75: 3v3.1 402.3,102.23 402.02,102.52 373.87,102.52 3v1.2
+5V: length 272.9
  Top w0.25: R9.1 299.15,111.76 RN13.1 ; 397.4,73.03 D6.2 ; v1(46.04,45.21) 46.04,45.09
  Top w0.5: D6.2 396.97,74.14 396.28,74.14 U1.14
  Top w1: 4.87,109.22 10.95,109.22 RN1.1 ; 43.5,53.85 46.04,53.85 v1(46.04,45.21) ; v1(265.75,84.07) v1(265.75,80.39)
  Top w1.27: 238.06,41.2 238.06,10.14 ; 238.06,41.2 238.12,41.2 ; 238.06,41.2 238.06,43.05 ; 226.44,43.05 226.44,41.08 ; 226.44,41.08 v2(226.44,10.14) 226.44,9.06 v1(226.46,9.04) ; 226.44,41.08 226.44,41.28 ; v2(215.99,10.05) 215.99,41.48 ; 215.99,41.48 215.99,41.5 217.54,43.05 ; 215.99,41.48 214.41,43.05 ; 238.12,41.2 239.97,43.05 ; 238.12,41.2 238.09,41.2 236.24,43.05 ; 226.44,41.28 226.44,41.35 224.74,43.05 ; 226.44,41.28 228.22,43.05
  Top w1.5: J3.4 J3.3 205.81,40.77 208.09,43.05 243.52,43.05 245.81,40.77 J2.97 J2.98
  Bottom w1.5: 425.01,138.43 425.01,110.49
  vias: v2(238.06,10.14)
+5V OK: length 485.6
  Top w0.25: 111.06,53.85 111.06,56.18 111.01,56.24 ; v1(129.1,111) 129.64,110.45 129.64,64.43 127.57,62.36 v1(127.57,59.31) ; 386.83,38.57 386.28,39.12 ; 386.83,38.57 386.28,39.12 ; 386.83,38.57 386.83,18.43 J2.8 ; 386.28,39.12 385.83,39.57 383.3,39.57 375.13,47.74 375.13,78.43 383.44,86.74 v1(383.99,86.74) ; v1(322.01,85.6) 322.01,103.27 320.88,104.39 320.88,121.14 v1(320.87,121.16) 320.88,121.18 320.88,126.89 J14.3 D24.2
  Bottom w0.25: v1(320.87,121.16) 320.5,120.8 133.69,120.8 130.09,117.2 130.09,112 v1(129.1,111) ; v1(322.01,85.6) 330.26,85.6 331.28,86.61 383.35,86.61 383.48,86.74 v1(383.99,86.74) 383.99,85.48 385.58,83.89 386.21,83.89 387.48,82.62 387.48,81.98 390.84,78.63 390.84,74.51 U1.12 ; 112.4,56.48 111.06,55.14 111.06,53.85 111.04,53.87 J23.6 112.16,56.24 112.4,56.48 ; 112.4,56.48 115.67,59.75 127.13,59.75 v1(127.57,59.31)
